# Altium PCB SwarmBotV2.PcbDoc (part 1 of 2)
Units mm, origin at the board's own origin, x right, y up, seen from the top; angles counter-clockwise.
Board outline 50 x 90 mm, 4 copper layers (L1 (Signal), GND, Power, L2 (Signal)), stack 0.786 mm thick; 79 components, 59 nets, 278 pads, 937 vias.
Unrouted connection lines stored in the file: 2.
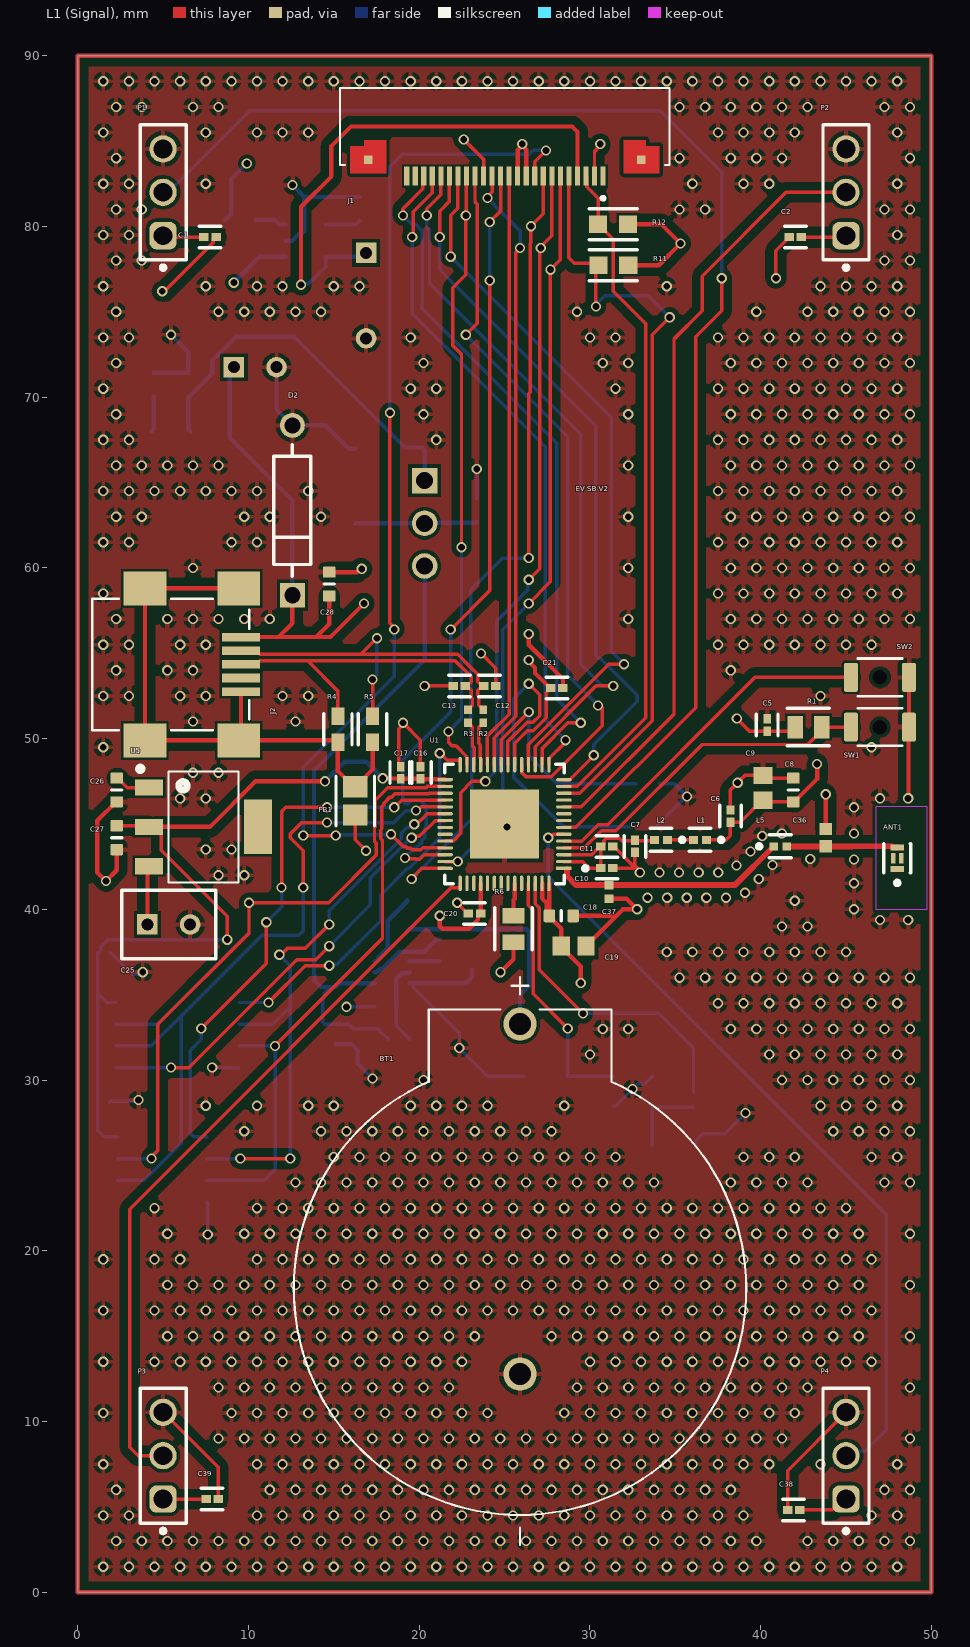
[diagram p0: L1 (Signal) view]
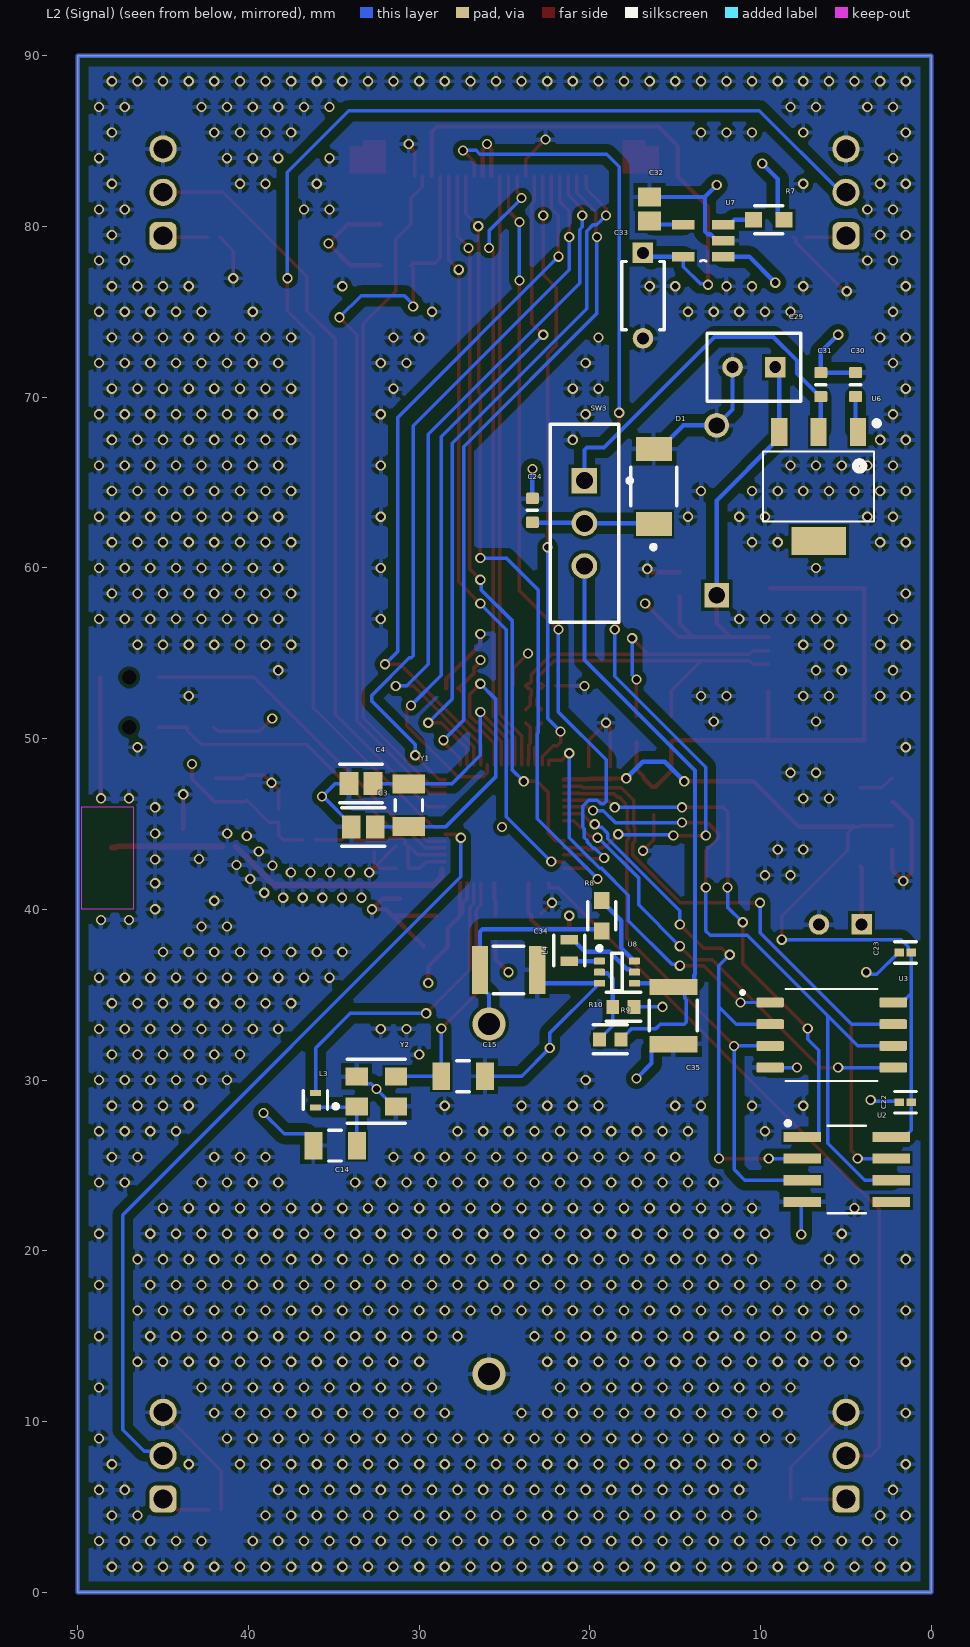
[diagram p1: L2 (Signal) view, seen from below]
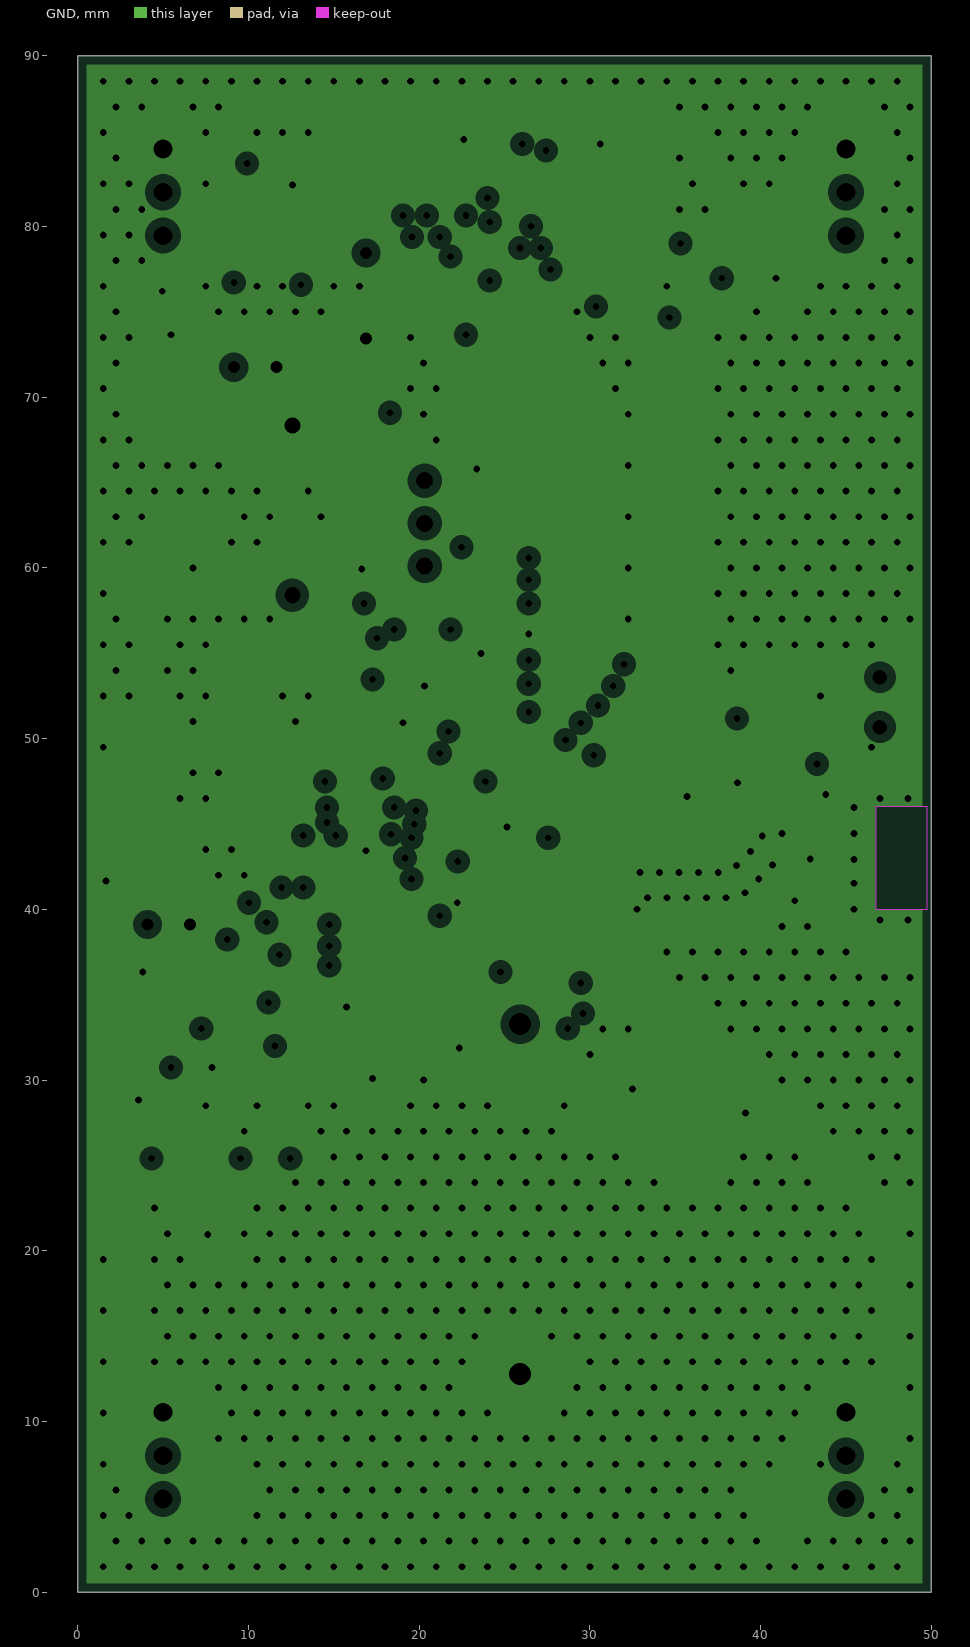
[diagram p2: GND, clearances drawn from the general rule]
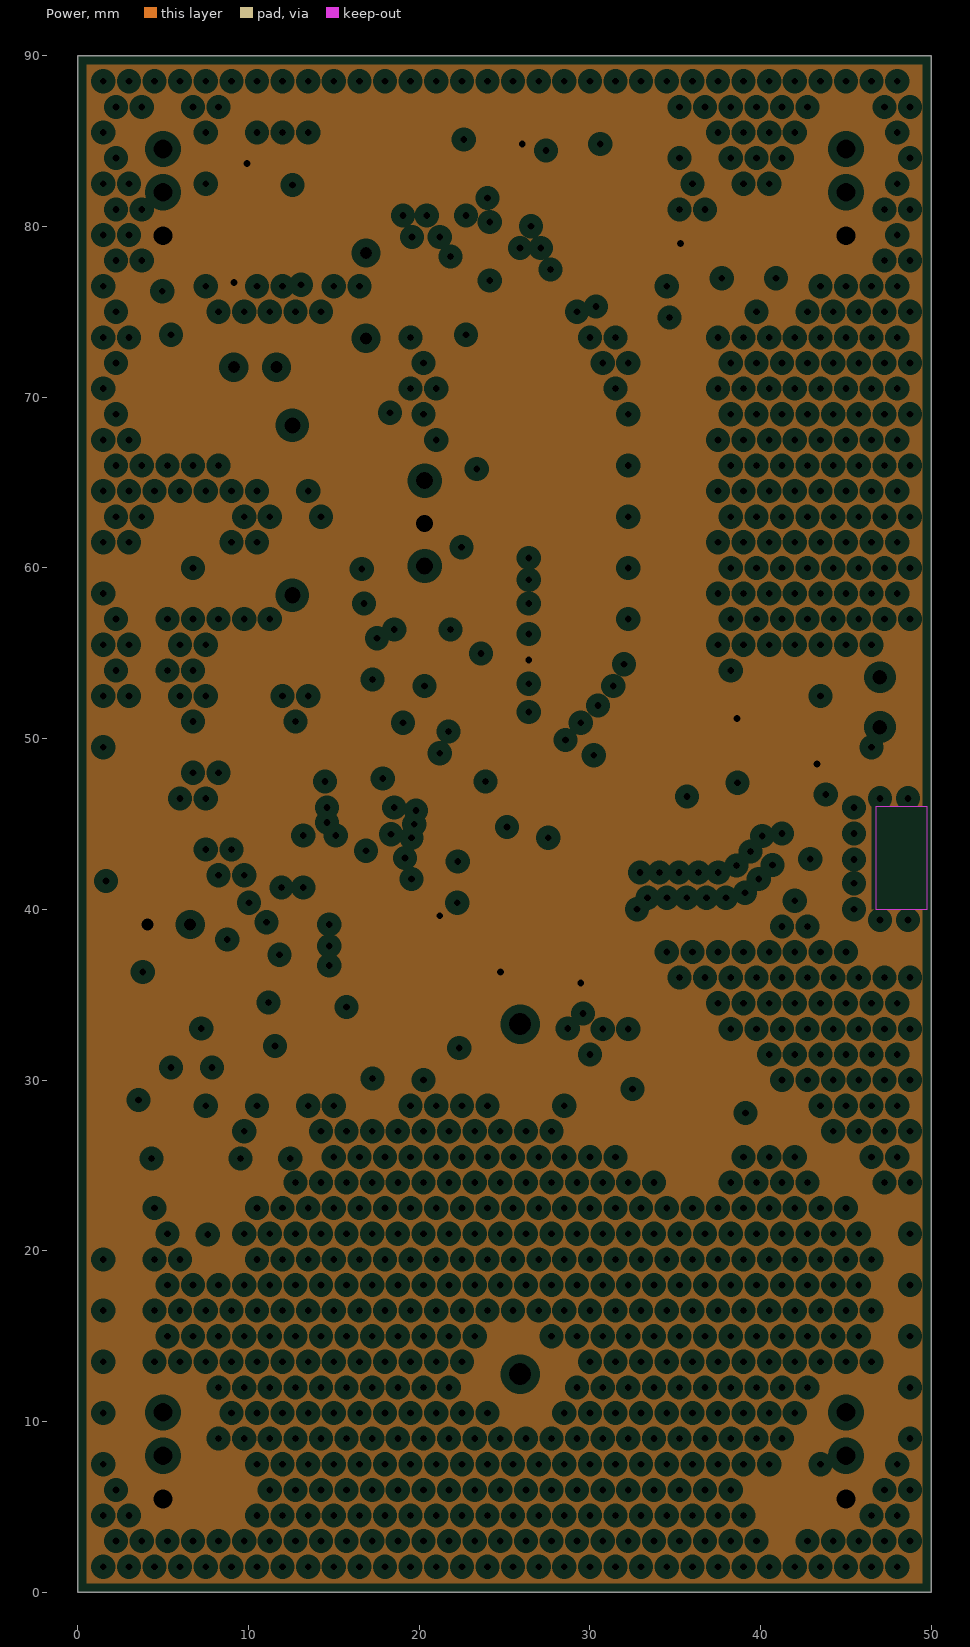
[diagram p3: Power, clearances drawn from the general rule]
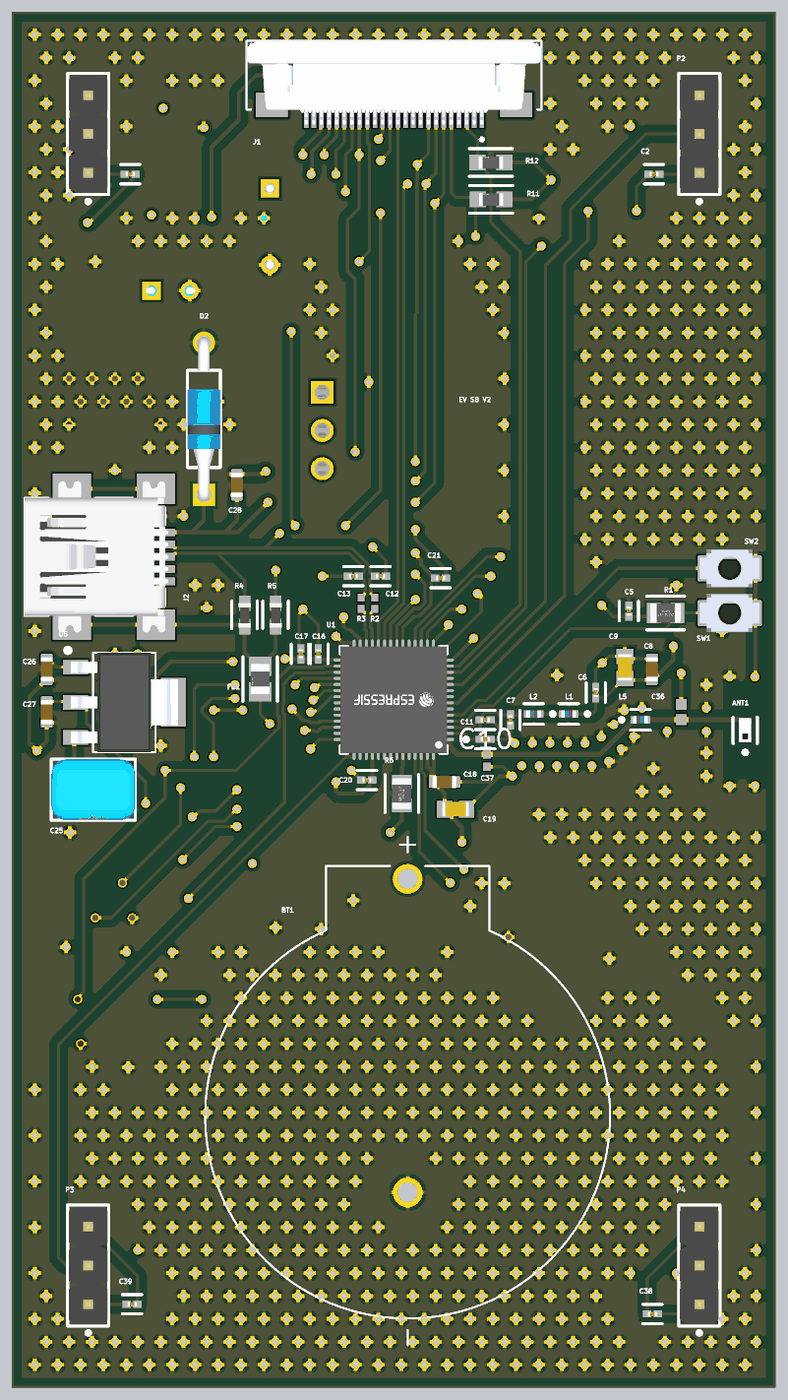
[diagram p5: 3D render of the assembled board from above, using the file's embedded part models]
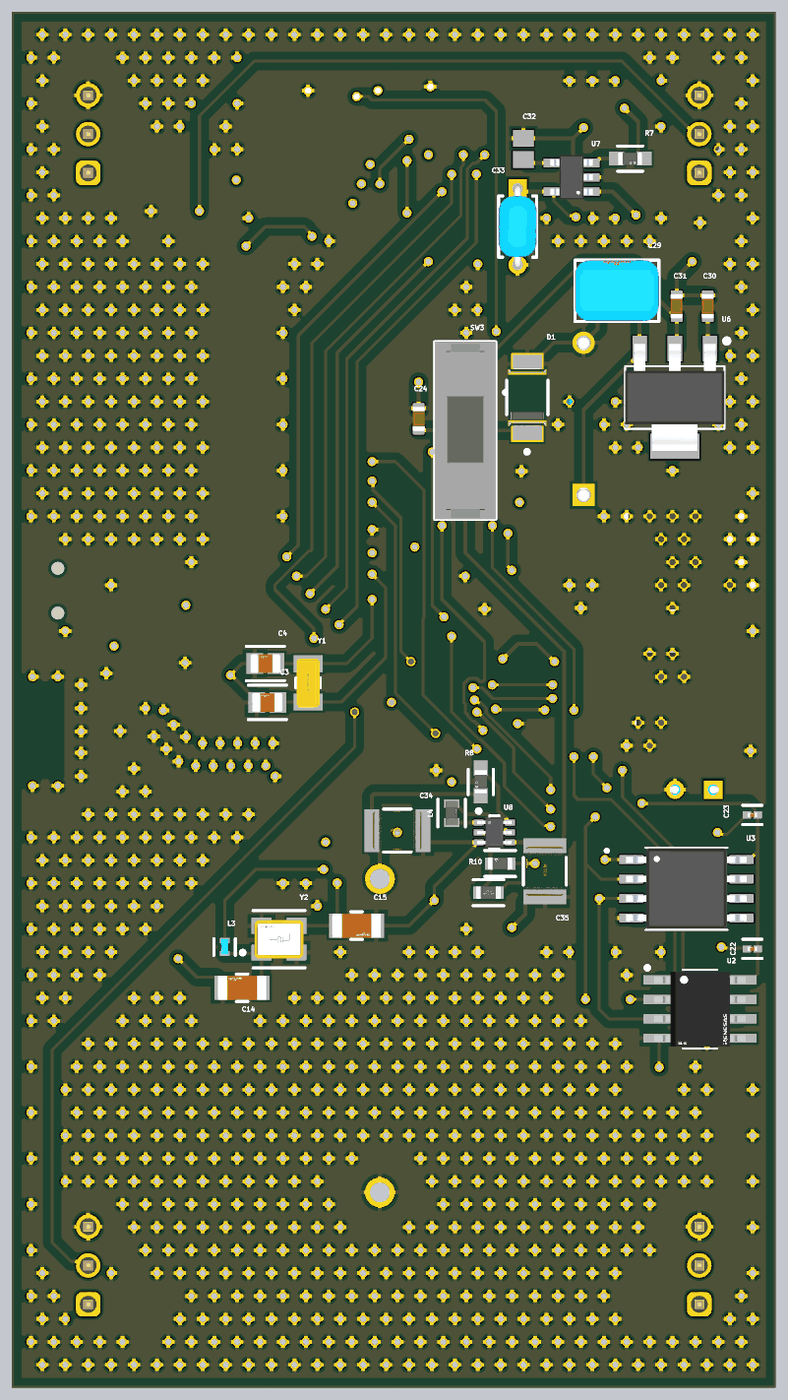
[diagram p6: 3D render of the assembled board from below, using the file's embedded part models]

## Layer stack, top to bottom
Top Solder: solder mask 0.015, SM-001, Dk 3.8
L1 (Signal): signal copper 0.035
Dielectric 2: prepreg 0.203, 7628, Dk 4.4
GND: plane copper 0.03, net GND
Dielectric 1: core 0.25, Core-039, Dk 4.6
Power: plane copper 0.03, net 3.3V
Dielectric 3: prepreg 0.203, 7628, Dk 4.4
L2 (Signal): signal copper 0.035
Bottom Solder: solder mask 0.015, SM-001, Dk 3.8

## Board outline
0,0 0,90 50,90 50,0

## Design rules (kind name [scope] priority, off if disabled: settings)
Clearance [All] p1: gap=0.203 ignorepadtopadclearanceinfootprint=FALSE except(0.152: Arc-Arc Arc-Track Arc-SMDPad Track-Track Track-SMDPad SMDPad-SMDPad SMDPad-THPad SMDPad-Via SMDPad-Fill SMDPad-Poly SMDPad-Region SMDPad-Text SMDPad-Hole; 0.5: Arc-Fill Arc-Poly Arc-Region Track-Fill Track-Poly Track-Region)
DiffPairsRouting USB_Routing [InDifferentialPairClass('All Differential Pairs')] p1: maxlimit=0.16 minlimit=0.16 mostfreqgap=0.16 toplayer_minwidth=0.203 toplayer_maxwidth=0.203 toplayer_prefwidth=0.203 bottomlayer_minwidth=0.203 bottomlayer_maxwidth=0.203 bottomlayer_prefwidth=0.203 impedanceprofiledriven=TRUE impedanceprofileid={54120F83-696F-455B-9459-E9DABDC5D855} impedanceprofilevalue=90.000000 maxuncoupledlength=12.7
PlaneClearance [All] p1: clearance=0.508
PlaneConnect [All] p1: planeconnectstyle=Relief reliefexpansion=0.508 reliefentries=4 reliefconductorwidth=0.254 reliefairgap=0.254
PolygonConnect [All] p1: connectstyle=Relief reliefconductorwidth=0.254 reliefentries=4 polygonreliefangle="90 Angle" airgapwidth=0.254
RoomDefinition RxTx [InComponentClass('RxTx')] p1: confinementstyle=ConfineIn formatcopy=TRUE lockcomponents=FALSE outline 0,0 50.8,0 50.8,25.4 0,25.4
RoutingVias [All] p1: holewidth=0.4 width=0.6 viastyle="Through Hole" minholewidth=0.4 minwidth=0.6 maxholewidth=0.4 maxwidth=0.6
SolderMaskExpansion [All] p1: expansion=0.102 istentingtop=FALSE
SupplyNets "Schematic Supply Nets_6" [InNet('Vbat')] p1: voltage=0.000
SupplyNets "Schematic Supply Nets_5" [InNet('VBUS')] p2: voltage=0.000
SupplyNets "Schematic Supply Nets_4" [InNet('3.0V')] p3: voltage=0.000
SupplyNets "Schematic Supply Nets_3" [InNet('GND')] p4: voltage=0.000
SupplyNets "Schematic Supply Nets_2" [InNet('3.3V')] p5: voltage=0.000
SupplyNets "Schematic Supply Nets_1" [InNet('3.3VUSB')] p6: voltage=0.000
SupplyNets "Schematic Supply Nets" [InNet('1.8V')] p7: voltage=0.000
Width RF_I_O [InNetClass('RF')] p1: maxlimit=0.343 minlimit=0.343 preferedwidth=0.343 impedanceprofiledriven=TRUE impedanceprofileid={46F5F2ED-4B17-4045-A898-72E772A97FAB} impedanceprofilevalue=50.000000 minimp=50.000000 maximp=50.000000 favimp=50.000000
Width [All] p2: maxlimit=0.508 minlimit=0.203 preferedwidth=0.254 minimp=50.000000 maximp=50.000000 favimp=50.000000
27 further rules are at their usual default settings.

## Classes and differential pairs
net class Y[9..2]: Y2 Y3 Y4 Y5 Y6 Y7 Y8 Y9
component class USB: C1 C2 C28 C29 C30 C31 C38 C39 D2 FB1 J2 P1 P2 P3 P4 R4 R5 U6
component class RxTx: ANT1 C3 C4 C5 C6 C7 C8 C9 C10 C11 C12 C13 C14 C15 C16 C17 C18 C19 C20 C21 C24 C36 C37 D1 L1 L2 L3 L5 R1 R2 R3 R6 SW1 SW2 SW3 U1 Y1 Y2
component class PowerReg: BT1 C34 C35 L4 R8 R9 R10 U8
component class Flash&PSRAM: C22 C23 C25 C26 C27 U2 U3 U5
component class Cam: C32 C33 J1 R7 R11 R12 U7
differential pair USB: +USB_P -USB_N
differential pair USB1: +USB1_P -USB1_N

## Components (designator, comment, footprint, x,y, rotation, side; value= is the part's Value field where it differs from the comment)
ANT1 "ANT016008LCS2442MA2" FP-ANT016008LCS2442MA2-0 48,43 r90 top
BT1 "122-3124-GR" BAT_122-3124-GR 25.908,17.78 r90 top
C1 "GRM033Z71C104KE14J" FP-GRM033-0_03-IPC_A 7.747,79.375 r0 top
C2 "GRM033Z71C104KE14J" FP-GRM033-0_03-IPC_A 42.037,79.375 r180 top
C3 "GRM21A5C2E120FW01D" FP-GRM21A-0_2-IPC_C 33.274,44.831 r0 bottom
C4 "GRM21A5C2E120FW01D" FP-GRM21A-0_2-IPC_C 33.401,47.371 r0 bottom
C5 "0.1uF" FP-GRM033-0_03-IPC_A 40.386,50.8 r90 top
C6 "0.1uF" FP-GRM033-0_03-IPC_A 38.227,45.466 r90 top
C7 "0.1uF" FP-GRM033-0_03-IPC_A 32.639,43.688 r270 top
C8 "Capacitor 10µF +/-20% 10V 0603" CAPC0603(1608)100_L 41.91,46.99 r90 top value=10µF
C9 "Capacitor 1uF +/- 10% 16V 0603" CAPC1608X90X35ML15T15 40.132,47.117 r90 top value=1µF
C10 ".1uF" FP-GRM033-0_03-IPC_A 30.988,42.418 r0 top
C11 ".1uF" FP-GRM033-0_03-IPC_A 30.988,43.688 r0 top
C12 "0.1uF" FP-GRM033-0_03-IPC_A 24.13,53.086 r0 top
C13 "0.1uF" FP-GRM033-0_03-IPC_A 22.352,53.086 r180 top
C14 "12pF" FP-GRM31A-0_2-e0_3_0_95-MFG 34.925,26.162 r0 bottom
C15 "12pF" FP-GRM31A-0_2-e0_3_0_95-MFG 27.432,30.226 r180 bottom
C16 ".1uF" FP-GRM033-0_03-IPC_A 20.066,48.006 r90 top
C17 ".1uF" FP-GRM033-0_03-IPC_A 18.923,48.006 r90 top
C18 "Capacitor 10µF +/-20% 10V 0603" CAPC0603(1608)100_L 28.321,39.624 r0 top value=10µF
C19 "Capacitor 1uF +/- 10% 16V 0603" CAPC1608X90X35ML15T15 29.046,37.846 r0 top value=1µF
C20 "0.1uF" FP-GRM033-0_03-IPC_A 23.241,39.751 r180 top
C21 "0.1uF" FP-GRM033-0_03-IPC_A 28.067,52.959 r0 top
C22 ".1uF" FP-GRM033-0_03-IPC_A 1.524,28.702 r0 bottom
C23 ".1uF" FP-GRM033-0_03-IPC_A 1.524,37.465 r0 bottom
C24 "Capacitor 10µF +/-20% 10V 0603" CAPC0603(1608)100_L 23.368,63.373 r90 bottom value=10µF
C25 "4.7uF" FP-RDE3P1-MFG 5.334,39.116 r0 top
C26 "10uF" CAPC0603(1608)100_L 2.286,46.99 r270 top value=10µF
C27 "10uF" CAPC0603(1608)100_L 2.286,44.196 r270 top value=10µF
C28 "Capacitor 10µF +/-20% 10V 0603" CAPC0603(1608)100_L 14.732,59.055 r90 top value=10µF
C29 "4.7uF" FP-RDE3P1-MFG 10.394,71.755 r0 bottom
C30 "10uF" CAPC0603(1608)100_L 4.445,70.739 r90 bottom value=10µF
C31 "10uF" CAPC0603(1608)100_L 6.477,70.739 r90 bottom value=10µF
C32 "10nF" CAPC2013X140X50LL20T25 16.51,81.026 r90 bottom
C33 "1uF" FP-RCE1K1-MFG 16.891,75.946 r270 bottom
C34 "10uF" FP-CGA6P-IPC_B 24.765,36.449 r180 bottom
C35 "10uF" FP-CGA6P-IPC_B 15.113,33.782 r270 bottom
C36 "1.5pF" CAPC0402(1005)60_M 43.815,44.204 r90 top
C37 "2.2pF" CAPC0402(1005)60_L 31.115,41.021 r270 top
C38 "GRM033Z71C104KE14J" FP-GRM033-0_03-IPC_A 41.937,4.826 r180 top
C39 "GRM033Z71C104KE14J" FP-GRM033-0_03-IPC_A 7.874,5.461 r0 top
D1 "PTVS3V3P1UP,115" FP-SOD128-MFG 16.256,64.77 r90 bottom
D2 "TVS305E3" FP-BODY-A-MFG 12.573,63.373 r90 top
FB1 "BLM21PG221SN1D" FP-BLM21-0_2-t0_85-e0_5-IPC_B 16.256,46.355 r270 top
J1 "F32R-1A7H1-11024" AMPHENOL_F32R-1A7H1-11024 25.019,85.852 r180 top
J2 "651305142821" 651305142821 5.449,54.351 r270 top
L1 "1nH" FP-LQG15HH_02-IPC_C 36.449,44.069 r180 top
L2 "1nH" FP-LQG15HH_02-IPC_C 34.163,44.069 r180 top
L3 "24nH" FP-LQW15AN_00-W0_5-0_1-MFG 36.068,28.829 r270 bottom
L4 "4.7uH" FP-LBMF1608-0_8-0_2-MFG 21.209,37.592 r90 bottom
L5 "1.8nH" FP-LQG15HH_02-IPC_C 41.148,43.688 r0 top
P1 "61300311121" 61300311121 5,82 r90 top
P2 "61300311121" 61300311121 45,82 r90 top
P3 "61300311121" 61300311121 5,8 r90 top
P4 "61300311121" 61300311121 45,8 r90 top
R1 "10K" FP-CRGP0805-IPC_C 42.799,50.673 r0 top value=10KΩ
R2 "22" RESC1005X40X25LL05T10 23.749,51.308 r90 top
R3 "22" RESC1005X40X25LL05T10 22.86,51.308 r90 top
R4 "CG0603MLC-05LE" FP-CG0603-MFG 15.24,50.546 r270 top value=0.5pF
R5 "CG0603MLC-05LE" FP-CG0603-MFG 17.272,50.546 r270 top value=0.5pF
R6 "10K" FP-CRGP0805-IPC_C 25.527,38.862 r270 top value=10KΩ
R7 "10k" FP-CPF0603-MFG 9.525,80.391 r0 bottom value=10KΩ
R8 "10k" FP-CPF0603-MFG 19.304,39.624 r90 bottom value=10KΩ
R9 "180K" FP-CRGP0603-IPC_C 18.804,32.385 r180 bottom value=180KΩ
R10 "1M" FP-CRGP0603-IPC_C 18.034,34.29 r180 bottom
R11 "AC0603JR-7W10KL" FP-AC0603-IPC_A 31.369,77.724 r180 top
R12 "AC0603JR-7W10KL" FP-AC0603-IPC_A 31.357,80.137 r180 top
SW1 "B3U-1000P-B" OMRON-B3U-1000P-2-B_V 46.99,50.673 r0 top
SW2 "B3U-1000P-B" OMRON-B3U-1000P-2-B_V 46.99,53.594 r0 top
SW3 "EG1218" ESWI-EG1218_V 20.32,62.611 r270 bottom
U1 "ESP32-S3R8" FP-ESP32-S3R8-IPC_A 25,45 r180 top locked
U2 "AT25FF321A-SSHN-T" M8_15_MFG 4.953,24.765 r180 bottom
U3 "W25Q64JVSSIQ" SOIC127P790X216-8N 5.842,32.639 r180 bottom
U5 "SPX1117M3-L-1-8" SOT230P700X180-3N#1 7.366,44.831 r0 top
U6 "SPX1117M3-L-3-3/TR" SOT230P700X180-3N#2 6.604,64.77 r270 bottom
U7 "SPX3819M5-L-3-0" SOT95P280X145-5N 13.36,79.172 r0 bottom
U8 "TPS61220DCKR" DCK0006A_L 18.415,36.322 r180 bottom
Y1 "ABS07-32.768KHZ-9-T" FP-ABS07-MFG 30.607,46.101 r90 bottom
Y2 "40.000MHZ" FP-ABM8-MFG 32.512,29.337 r180 bottom
